# Allegro board CHIP_v1_0_20151123.brd (continued)
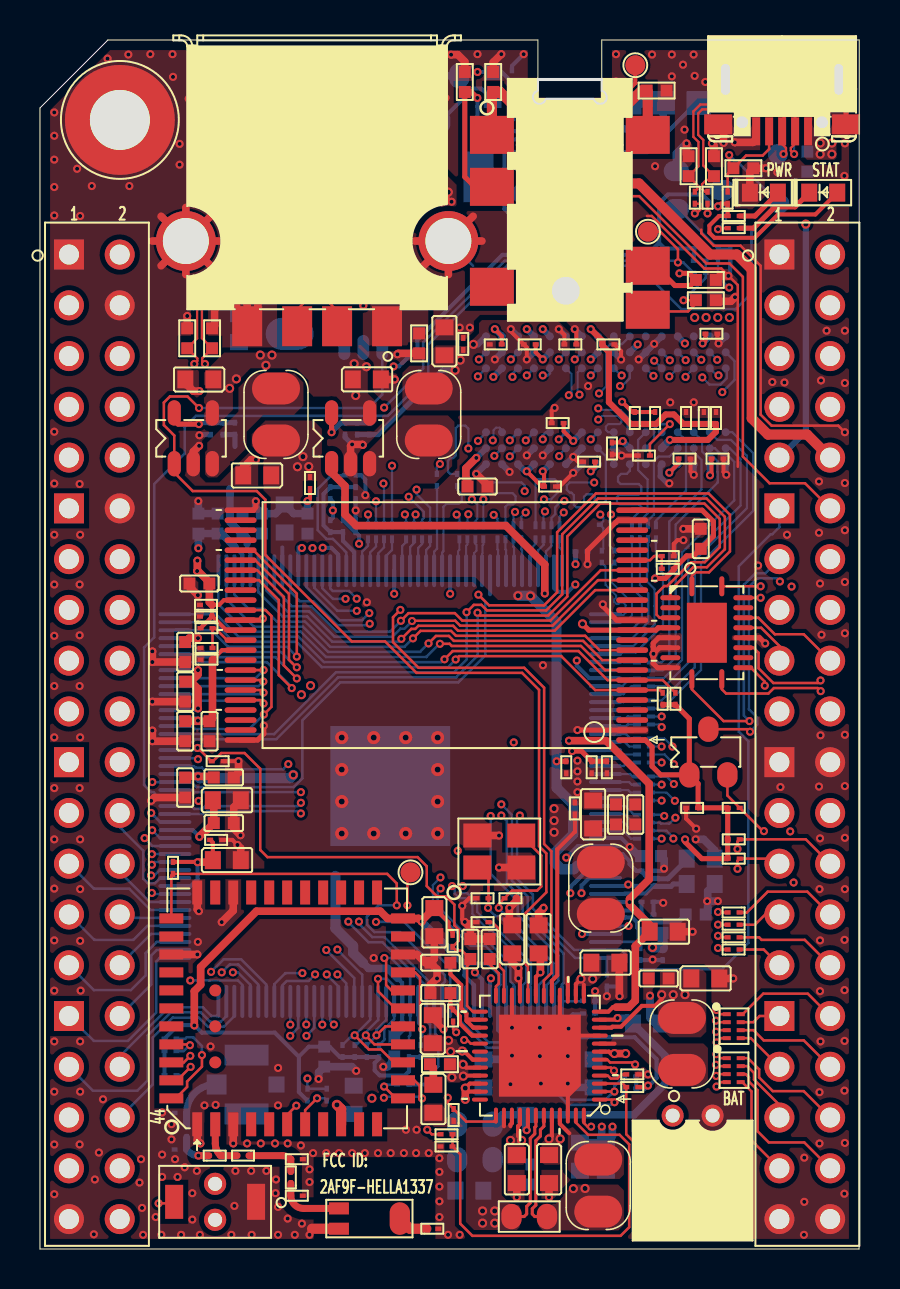
[diagram p0: board, top side]
## Routing (per net, layer and track width the routed paths; a pad name or vN(x,y) marks a point on that pad's centre or on a via; arc(x,y) is an arc through that point) (continued)
UART1-TX: length 64.7
  IN1 w0.127: v1(37.62,33.15) 37.98,32.79 37.98,21.32 v1(37.55,20.9)
  IN2 w0.127: v1(37.62,33.15) 38.36,33.88 38.36,44.93 37.01,46.28 U14.3 ; v1(13.06,22.33) 13.04,22.33 12.67,21.96 12.67,20.03 13.7,19 20.88,19 22.04,17.84 25.95,17.84 26.74,18.63 30.07,18.63 30.57,18.12 35.4,18.12 35.82,18.55 35.82,19.89 36.71,20.78 37.43,20.78 v1(37.55,20.9)
  BOTTOM w0.127: v1(13.06,22.33) 12.9,22.16 8.28,22.16 8.13,22.02 7.72,22.02 7.57,22.16 U1.152
USB0-DRV: length 82.6
  TOP w0.127: v1(29.79,9.24) 29.69,9.33 28.54,9.33 28.4,9.48 U3.6
  IN1 w0.127: v1(17.17,50.42) 17.17,46.39 18.44,45.11 18.44,43.64 17.33,42.52 17.09,42.52 16.57,42 16.57,40.06 15.12,38.61 15.12,34.29 16.88,32.53 16.88,31.66 16.51,31.29 v1(16.51,31.29)
  IN2 w0.127: v1(29.79,9.24) 29.79,9.99 29.42,10.36 27.88,10.36 26.38,11.86 18.57,11.86 16.98,10.27 12.36,10.27 11.84,10.8 11.84,24.31 15.75,28.23 15.75,30.53 16.48,31.26 16.48,31.29 v1(16.51,31.29)
  BOTTOM w0.127: U10.4 13.94,57.39 13.39,56.85 13.39,54.91 14.03,54.28 R74.2 13.72,53.82 13.72,53.26 15,51.98 15.83,51.98 17.17,50.65 v1(17.17,50.42) ; v1(16.51,31.29) 16.43,31.21 14.89,31.21 13.69,32.41 13.01,32.41 12.53,32.89 U1.10
USB0-IDDET: length 68.1
  TOP w0.127: v1(34.5,54.74) 34.5,54.29 ESD11.1 ; ESD11.1 34.42,53.79 R70.1 ; ESD11.1 35.34,54.71 36.17,54.71 36.5,55.04 J4.4
  BOTTOM w0.127: U1.153 5.99,22.56 5.69,22.86 5.57,22.86 5.21,23.22 5.21,30.1 5.72,30.61 5.72,38.28 7.24,39.8 7.24,41.12 7.81,41.69 17.41,41.69 19.44,43.71 19.44,45.26 23.38,49.2 29.93,49.2 32.1,47.03 34.82,47.03 35.62,47.83 35.62,50.9 TP18.1 34.85,54.46 34.78,54.46 v1(34.5,54.74)
USBVBUS: length 1.6
  TOP w0.127: v2(20.44,52.88) 20.44,52.57 v1(20.6,52.4)
  TOP w0.203: U3.31 21.66,9.48 21.23,9.91 v2(21.14,9.91)
  vias: v2(15.46,56.35) v2(15.91,56.72) v2(16.5,56.72) v2(18.75,51.98) v2(20.12,52.4) v2(20.45,10.44) v2(20.55,9.88) v2(30.74,5.13) v2(31.32,5.13) v2(31.91,5.13) v2(32.77,46.61) v2(33.34,46.61) v2(33.93,46.61) v2(34.51,46.61) v2(39.05,55.34) v2(39.05,54.78) v2(39.64,55.34) v2(39.64,54.78)
VMIC: length 73.8
  TOP w0.203: v1(26.9,53.35) 28.05,54.5 28.05,56.58 29.8,58.33 TP4.1
  IN1 w0.254: v1(27.13,15.76) 27.91,16.54 27.91,20.87 28.78,21.75 28.78,26.75 27.68,27.85 17.68,27.85 11.26,34.26 11.26,40.98 13.92,43.64 13.92,49.7 18.86,54.64 22.33,54.64 23.89,53.08 26.63,53.08 v1(26.9,53.35)
  BOTTOM w0.203: v1(27.13,15.76) U1.85
  BOTTOM w0.254: R113.2 v1(26.9,53.35)
VPS: length 2.6
  TOP w0.127: NSR5.1 NSR4.2 8.77,31.06 9.37,30.47 U30.38
VRA1: length 2.3
  BOTTOM w0.203: U1.83 29.25,16.56 29.28,16.6 29.64,16.6 29.89,16.34 29.89,16.09 C164.2
VRA2: length 5.1
  BOTTOM w0.203: R121.2 C170.2 29.96,16.74 29.78,16.93 29.14,16.93 29.11,16.96 U1.82
  BOTTOM w0.254: C170.2 30.11,16.68 30.42,16.37 31.96,16.37 C169.2
VRP: length 4.3
  BOTTOM w0.203: U1.80 29.26,17.76 29.28,17.79 30.33,17.79 C168.2
  BOTTOM w0.254: C168.2 30.79,18.17 30.82,18.14 31.59,18.14 31.71,18.26 C167.2
WE: length 21.2
  IN2 w0.152: v1(31.66,25.14) 31.91,25.39 31.91,34.39 31.3,35 31.3,36.93 30.38,37.85 30.38,43.36 v1(30.71,43.69)
  BOTTOM w0.114: v1(31.66,25.14) 31.5,25.3 31.5,25.3 31.26,25.54 RN27.5 ; v1(30.71,43.69) U29.L3
WL-PMU-EN: length 1.9
  TOP w0.127: U9.12 17.82,7.54 v1(17.23,8.13)
  BOTTOM w0.127: v1(17.23,8.13) 17.33,8.23 R66.1
WL-SDIO-CLK: length 6.5
  TOP w0.127: U9.17 17.78,12.04 16.92,12.9 v1(16.92,13.52)
  BOTTOM w0.127: R50.2 17.24,10.48 17.24,11.01 17.73,11.5 U1.110 17.73,13.16 17.37,13.52 v1(16.92,13.52)
WL-SDIO-CMD: length 4.1
  TOP w0.127: v1(16.84,10.69) 17.29,11.14 U9.16
  BOTTOM w0.127: R51.2 16.39,10.21 16.84,10.66 v1(16.84,10.69) 16.84,10.97 17.33,11.46 U1.111
WL-SDIO-D0: length 7.5
  TOP w0.127: U9.18 17.6,12.94 17.33,13.21 17.33,14.47 v1(17.24,14.56)
  BOTTOM w0.127: R49.2 18.47,10.63 18.53,10.69 U1.108 18.53,13.61 17.57,14.56 v1(17.24,14.56)
WL-SDIO-D1: length 5.9
  TOP w0.127: v1(19.13,11) 19.13,11.11 19.02,11.22 19.02,13.6 18.78,13.84 U9.19
  BOTTOM w0.127: U1.107 18.93,11.3 19.13,11.1 v1(19.13,11) 19.13,10.65 19.05,10.57 R48.2
WL-SDIO-D2: length 5.8
  TOP w0.127: v1(15.75,10.69) 16.46,9.98 17.07,9.98 17.72,9.34 U9.14
  BOTTOM w0.127: R53.2 15.5,10.57 15.63,10.57 v1(15.75,10.69) 16.53,11.47 U1.113
WL-SDIO-D3: length 4.8
  TOP w0.127: U9.15 16.74,10.24 16.31,10.67 v1(16.31,10.69)
  BOTTOM w0.127: R52.2 15.82,10.21 v1(16.31,10.69) 16.31,10.85 16.93,11.47 U1.112
XIO-P0: length 13.3
  TOP w0.127: U27.10 32.63,28 34.22,26.42 v1(35.51,26.42)
  BOTTOM w0.127: v1(35.51,26.42) 35.23,26.7 35.23,33.24 35.8,33.81 36.3,33.81 U14.13
XIO-P1: length 13.1
  TOP w0.127: v1(39.08,27.91) 38.93,28.07 36.73,28.07 36.46,27.79 34.35,27.79 34.13,28.01 U27.11
  IN2 w0.127: U14.14 38.36,33.32 38.36,28.6 39.05,27.91 v1(39.08,27.91)
XIO-P2: length 7.3
  TOP w0.127: U27.12 35.58,29.09 36.28,28.39 v1(36.28,28.19)
  IN2 w0.127: U14.15 38.1,30.89 38.1,28.75 37.54,28.19 v1(36.28,28.19)
XIO-P3: length 9.2
  TOP w0.127: v1(39.07,28.45) 38.94,28.32 36.71,28.32 35.97,29.06 35.97,29.83 35.72,30.09 U27.14
  IN2 w0.127: U14.16 38.61,31.04 38.61,28.91 v1(39.07,28.45)
XIO-P4: length 2.9
  TOP w0.127: U27.16 36.1,31.08 37.01,30.17 U14.17
XIO-P5: length 5.2
  TOP w0.127: U14.18 38.23,30.76 36.78,30.76 35.96,31.58 U27.17
XIO-P6: length 7.1
  TOP w0.127: v1(36.07,32.59) U27.19
  IN2 w0.127: v1(36.07,32.59) 35.89,32.4 35.89,28.02 U14.19
XIO-P7: length 13.2
  TOP w0.127: U27.20 v1(36.07,33.16)
  IN2 w0.127: v1(36.07,33.16) 35.63,32.72 35.63,26.94 36.73,25.83 38.49,25.83 U14.20
N17860831: length 2.8
  TOP w0.35: R45.2 C47.1 arc(12.36,4.63) 12.13,4.67 R46.1
N17860849: length 2.5
  TOP w0.35: R46.2 R47.2 9.01,4.71 arc(8.89,4.86) 8.81,5.04 arc(8.78,5.16) 8.78,5.28 U9.2
N18486772: length 1.5
  BOTTOM w0.127: OR4.2 10.09,54.53 9.77,54.85 9.77,55.47
N18486828:
  vias: v2(11.23,54.64) v2(12.15,54.64) v2(12.58,55.02)
N20314568: length 0.9
  TOP w0.203: 26.42,13.57 U3.15
N20314637: length 1.1
  TOP w0.203: U3.45 26.02,6.26 26.5,5.79
N20314996: length 4.1
  TOP w0.127: U3.23 23.22,13.92 23,14.14 23,15.99 22.64,16.36 R13.2
N20315137: length 0.7
  TOP w0.203: U3.8 28.76,10.28
N20749703: length 1.5
  TOP w0.127: R20.1 29.11,8.74 28.91,8.53 28.57,8.53 28.42,8.68 U3.4
N20819937: length 2.1
  TOP w0.127: C26.2 22.51,14.25 22.97,13.79 22.97,13.28 22.82,13.14 U3.24
N20828828: length 10.5
  TOP w0.127: TP2.1 18.39,18.69 v1(18.39,17.2) ; U3.29 21.56,10.28 21.38,10.46 v1(21.23,10.46)
  IN1 w0.127: v1(21.23,10.46) 21.23,11.01 18.5,13.74 18.5,17.09 v1(18.39,17.2)
N21691225: length 10.5
  IN1 w0.152: v1(25.17,40.51) 25.17,40.24 25.04,40.11 24.85,40.11 24.72,40.24 24.72,40.66 24.52,40.87 21.77,40.87 21.44,40.54 v1(21.44,40.06)
  BOTTOM w0.114: v1(21.44,40.06) 21.44,41.05 21.29,41.2 20.93,41.2 20.81,41.07 20.81,39.7 20.68,39.57 20.55,39.57 20.43,39.45 20.43,38.89 20.53,38.78 R420.2
  BOTTOM w0.127: v1(25.17,40.51) 25.17,40.72 25.32,40.87 U29.E7
N21691228: length 7.9
  IN2 w0.152: v1(20.02,39.28) 20.02,40.36 21.57,41.91 22.57,41.91 v1(24.37,43.71)
  BOTTOM w0.114: R421.2 19.87,39.13 v1(20.02,39.28)
  BOTTOM w0.127: U29.D3 v1(24.37,43.71)
N21691595: length 4
  TOP w0.127: R71.2 30.53,40.28 v1(31.53,41.27)
  BOTTOM w0.127: U29.L8 30.33,40.07 30.74,40.48 30.74,41.03 30.98,41.27 v1(31.53,41.27)
N21742219: length 14.6
  IN1 w0.102: v1(20.86,36.75) 21.06,36.95 21.06,37.17 20.48,37.75 20.48,40.62 21.52,41.66 27.01,41.66 27.08,41.73 27.08,41.88 26.64,42.32 26.64,42.55 v1(26.47,42.72)
  BOTTOM w0.102: RN30.1 20.99,36.61 v1(20.86,36.75) ; U29.F3 26.61,43.79 26.61,42.86 v1(26.47,42.72)
N21742222: length 14.5
  IN1 w0.102: v1(21.44,36.77) 21.29,36.92 21.29,37.26 20.71,37.85 20.71,40.52 21.61,41.43 27.11,41.43 27.31,41.63 27.31,41.98 26.87,42.42 26.87,42.61 v1(27,42.75)
  BOTTOM w0.102: U29.G3 26.91,43.86 26.91,42.84 v1(27,42.75) ; v1(21.44,36.77) 21.39,36.72 RN30.2
N21748095: length 10.7
  IN2 w0.102: v1(23.52,40.46) 23.42,40.56 23.42,41.02 23.19,41.25 21.63,41.25 20.83,40.45 20.83,39.13 20.71,39.01 20.38,39.01 20.12,38.75 20.12,38.3 20.36,38.07 21.71,38.07 21.9,37.88 21.9,37.8 v1(21.62,37.52)
  BOTTOM w0.102: v1(21.62,37.52) 21.89,37.25 21.89,36.53 21.79,36.43 RN30.3
  BOTTOM w0.127: U29.C7 v1(23.52,40.46)
N21748098: length 10.7
  IN2 w0.102: v1(22.19,37.52) 22.13,37.58 22.13,37.98 21.81,38.3 20.45,38.3 20.35,38.4 20.35,38.66 20.48,38.79 20.81,38.79 21.06,39.04 21.06,40.36 21.72,41.02 23.1,41.02 23.19,40.93 23.19,40.68 23.14,40.62 23.14,40.56 23.04,40.46 v1(22.67,40.46)
  BOTTOM w0.102: U29.B7 23.13,40.97 23,41.1 22.83,41.1 22.7,40.97 22.7,40.5 v1(22.67,40.46) ; RN30.4 v1(22.19,37.52)
N21782572: length 15.1
  TOP w0.114: R84.1 32.9,53.02 32.9,53.25 ESD13.1 32.96,54.17 32.96,55.39 32.71,55.65 32.71,56.92 33.05,57.26 37.51,57.26 37.72,57.05 37.72,56.79 37.8,56.72 J4.2 37.8,55.31 37.58,55.09 37.58,54.95 v1(37.75,54.79)
  BOTTOM w0.114: TP17.1 37.75,56.64 v1(37.75,54.79)
N21782578: length 11.9
  TOP w0.114: v1(37.22,54.79) 37.34,54.91 37.34,55.09 37.15,55.29 J4.3 37.15,56.52 37.48,56.86 37.48,56.95 37.41,57.02 33.15,57.02 32.95,56.82 32.95,55.75 33.2,55.49 33.2,54.21 ESD12.1 33.74,53.64 33.58,53.49 33.35,53.49 33.14,53.28 33.14,53.05 33.28,52.9 R85.1
N21782617: length 1.7
  BOTTOM w0.127: 13.94,55.47 13.94,55.11 14.66,54.38 R75.2
N21788871: length 1.9
  BOTTOM w0.254: U11.3 17.13,48.83 16.84,49.13 R57.2 R54.1
N21789427: length 3.5
  TOP w0.254: v1(7.95,41.27) 6.91,41.27 6.72,41.47 U12.5
  BOTTOM w0.254: R79.1 C67.2 R78.2 8.03,41.35 v1(7.95,41.27)
N21789937: length 3.1
  TOP w0.254: U4.5 v1(14.6,40.87)
  BOTTOM w0.254: R15.1 C73.2 R14.2 15.07,41.35 v1(14.6,40.87)
N21821091: length 4.2
  BOTTOM w0.127: U15.4 9.77,57.32 9.25,56.79 9.25,54.91 9.45,54.71 R86.1
N21824958: length 3.5
  BOTTOM w0.127: C152.2 R103.1 31.97,52.03 Q4.1
N21824970: length 2.7
  TOP w0.127: v1(33.94,51.03) 33.94,51.03 33.99,51.08 R102.2
  BOTTOM w0.127: v1(33.94,51.03) 34.33,51.42 34.33,52.36 34.14,52.55 Q4.3
N21824972: length 4.2
  TOP w0.254: D2.2 37.79,52.15 36.79,52.15 35.72,51.08 R102.1
N21891079: length 1.5
  TOP w0.508: ANT1.3 18.52,1.02 C51.1
N21891194: length 3.4
  TOP w0.35: R45.1 C48.1 arc(12.74,2.22) 13.19,2.03 ANT1.1
N21892133: length 14.9
  TOP w0.127: J11.4 30.79,49.2 30.88,49.11
  TOP w0.254: v1(32.01,48.82) 32.5,48.82 ESD36.2 32.55,48.21 31.78,48.21 30.88,49.11
  IN1 w0.203: v1(32.01,48.82) 31.86,48.82 29.11,51.56 v1(27.06,51.56)
  BOTTOM w0.203: v1(27.06,51.56) 26.52,51.03 C79.2 25.28,51.92 25.28,53.9 R105.1
N21892135: length 14.5
  TOP w0.127: J11.2 22.52,53.15 22.43,53.06
  TOP w0.254: v1(21.89,57.59) 21.59,57.89 ESD34.2 21.26,53.64 21.85,53.06 22.43,53.06
  BOTTOM w0.203: C78.2 23.25,52.04 23.25,54.86 22.92,55.19 22.38,55.19 21.89,55.68 21.89,57.16 21.89,57.16 v1(21.89,57.59)
N21892179: length 0.6
  BOTTOM w0.203: C151.1 R100.2
N21892181: length 0.6
  BOTTOM w0.203: R101.2 C148.1
N21892238: length 5.9
  TOP w0.127: v1(32.21,47.47) ESD35.2 32.83,47.3 32.44,46.91 30.42,46.91 J11.6
  BOTTOM w0.127: R88.1 R414.2 33.32,48.59 v1(32.21,47.47)
N21892272: length 2.8
  BOTTOM w0.203: C188.2 27.82,54.06 R192.1 26.99,54.88 R113.1
N21913519: length 2.9
  BOTTOM w0.35: ANT2.1 8.76,8.23 arc(7.76,7.81) C60.1 R61.2
N21918802: length 1.8
  TOP w0.35: v1(7.93,4.67) R47.1
  BOTTOM w0.35: R61.1 C52.1 7.44,4.87 arc(7.55,4.79) 7.67,4.72 arc(7.8,4.69) v1(7.93,4.67)
N21932331: length 21.1
  TOP w0.127: R83.1 C35.2 21.04,4.74 21.04,1.27 21.65,0.66 29.06,0.66 29.49,1.09 29.49,5.23 29.01,5.71 27.44,5.71 26.82,6.33 U3.47
N21933125: length 2.1
  TOP w0.127: U9.7 13.27,6.95 v1(13.87,7.54)
  BOTTOM w0.127: R63.1 14.23,7.54 v1(13.87,7.54)
N21935584: length 2.3
  TOP w0.127: v1(19.12,7.54) 19,7.66 19,8.18 18.74,8.44 U9.13
  BOTTOM w0.127: R62.1 19.04,7.62 v1(19.12,7.54)
N203144570: length 1.1
  TOP w0.381: R9.1 19.69,9.08 C17.1
N203145090: length 2.4
  TOP w0.254: R8.1 35.79,51.69 36.93,52.83 D1.1
N217827101: length 1.2
  BOTTOM w0.508: C59.2 16.31,52.97 R82.1

## Copper pours and planes (outline as drawn; the poured copper is in the pictures)
GND on TOP: 0.51,0.51 0.51,56.99 3.51,59.99 24.41,59.99 24.41,57.95 28.63,57.95 28.63,59.99 40.5,59.99 40.5,56.99 40.49,8.59 40.49,7.87 40.49,4.44 40.49,0.51 14.97,0.51 14.97,1.75 13.87,1.75 13.87,0.51 13.54,0.51 13.49,0.56 13.49,0.51 ; 37 cut-outs
GND on BOTTOM: 0.51,0.51 0.51,56.99 3.51,59.99 24.41,59.99 24.41,57.95 28.63,57.95 28.63,59.99 40.5,59.99 40.5,56.99 40.49,0.51 ; 24 cut-outs
GND on GND: 0.52,0.51 0.52,56.89 3.11,59.49 3.26,59.64 3.61,59.99 24.41,59.99 24.41,57.95 28.63,57.95 28.63,59.99 40.5,59.99 40.49,5.36 40.49,4.7 40.49,2.64 40.49,1.73 40.49,0.51 ; 2 cut-outs
GND on IN1: 0.51,0.51 0.51,56.99 3.51,59.99 24.41,59.99 24.41,57.95 28.63,57.95 28.63,59.99 40.5,59.99 40.5,56.99 40.49,0.51 ; 29 cut-outs
GND on IN2: 0.51,0.51 0.51,56.99 3.51,59.99 24.41,59.99 24.41,57.95 28.63,57.95 28.63,59.99 40.5,59.99 40.5,56.99 40.49,0.51 ; 20 cut-outs
GND on VCC: 0.52,0.51 0.52,56.89 3.11,59.49 3.26,59.64 3.61,59.99 24.41,59.99 24.41,57.95 28.63,57.95 28.63,59.99 40.5,59.99 40.5,57.91 40.5,56.39 40.5,53.6 40.41,53.52 32.18,53.52 29.19,50.52 23.83,50.52 17.96,56.39 17.96,57.91 16.77,59.11 10.47,59.11 9.1,57.74 9.1,49.58 12.47,46.2 19.61,46.2 19.79,46.02 19.79,42.83 16.56,39.6 15.5,39.6 15.35,39.75 15.35,41.27 16.84,42.77 16.84,44.65 16.21,45.29 9.46,45.29 9.27,45.47 9.28,46.33 5.72,49.89 5.72,50.37 5.06,51.03 2.92,51.03 2.21,50.32 2.21,10.72 3.56,9.37 10.92,9.37 11.69,8.61 12.19,8.61 15.88,4.93 19.89,4.93 20.55,4.27 20.55,1.34 21.06,0.84 22.97,0.84 23.42,1.29 23.42,4.47 23.63,4.67 26.27,4.67 26.8,5.21 26.8,5.89 27.29,6.38 29.27,6.38 30.05,7.16 30.05,9.96 30.23,10.13 31.68,10.13 32.92,11.38 32.92,13.9 31.88,14.94 27.24,14.94 26.34,15.83 26.34,17.73 25.05,19.03 25.05,26.67 22.46,29.26 17.89,29.26 14.76,32.39 14.76,32.56 14.92,32.72 17.12,32.72 17.88,31.95 23.45,31.95 25.63,29.77 25.63,25.02 26.09,24.56 26.93,24.56 27.11,24.38 27.11,20.93 27.54,20.5 29.09,20.5 29.95,19.63 33.18,19.63 35.64,22.1 35.64,37.36 36.25,37.97 36.25,47.5 36.76,48.01 40.34,48.01 40.5,47.85 40.49,37.97 40.49,37.36 40.49,19.03 40.49,17.73 40.49,11.38 40.49,9.96 40.49,7.16 40.49,5.21 40.49,0.51 ; 4 cut-outs
VBAT-EXT on TOP: 24.97,1.12 24.97,2.06 25.18,2.26 25.81,2.26 26.19,2.64 26.19,2.72 26.7,3.23 28.94,3.23 29.24,2.92 29.24,1.22 28.95,0.93 25.16,0.93
VBAT-EXT on BOTTOM: 27.51,4.57 27.51,2.95 27.39,2.82 26.75,2.82 25.71,3.86 22.23,3.86 21.98,4.11 21.98,4.9 22.23,5.16 25.86,5.16 26.34,4.67 27.41,4.67
VCC-5V on BOTTOM: 16.92,58.32 17.94,58.32 18.06,58.19 18.06,57.25 17.92,57.11 14.7,57.11 14.46,57.35 14.46,58.45 14.1,58.8 13.7,58.8 13.39,58.5 13.39,57.51 12.96,57.07 11.64,57.07 11.23,57.48 11.23,58.83 11.82,59.41 15.83,59.41
VCC-5V on BOTTOM: 5.54,45.59 1.15,45.59 0.69,46.05 0.69,48.36 1.02,48.69 2.39,48.69 2.47,48.77 2.47,51.56 3.61,52.7 4.78,52.7 5.59,53.52 8.77,53.52 9.3,52.98 12.02,52.98 12.29,52.72 12.29,50.14 10.05,47.9 8.89,47.9 8.03,47.04 6.99,47.04 ; 1 cut-out
VCC-5V on VCC: 12.58,46.46 9.35,49.68 9.35,57.63 10.57,58.85 16.67,58.85 17.71,57.81 17.71,56.28 18.83,56.28 24.85,50.27 29.29,50.27 32.29,53.26 40.41,53.26 40.5,53.18 40.5,49.68 40.5,48.42 40.34,48.26 36.65,48.26 36,47.6 36,46.64 35.82,46.46
VCC-WIFI on BOTTOM: 15.17,7.21 14.97,7.42 14.76,7.42 14.66,7.32 14.66,6.71 14.99,6.38 19.61,6.38 20.38,5.61 20.38,3.94 20.55,3.76 21.49,3.76 21.72,3.99 21.72,6.35 20.86,7.21
BAT on TOP: 23.04,6.2 23.55,6.2 23.65,6.1 23.65,5.94 23.12,5.41 23.12,2.69 23.58,2.24 23.91,2.24 24.01,2.13 24.01,1.09 23.87,0.95 21.63,0.95 21.32,1.27 21.32,5.94 21.48,6.11 22.95,6.11
BAT on BOTTOM: 21.92,0.97 21.58,1.31 21.58,3.31 21.82,3.56 25.61,3.56 26.57,2.59 27.41,2.59 27.79,2.97 27.79,4.37 27.94,4.52 28.81,4.52 31.53,7.24 31.88,7.24 33.74,5.38 33.74,3.2 33.28,2.74 32.01,2.74 30.23,0.97
BAT on VCC: 21.16,1.09 20.81,1.45 20.81,4.37 20,5.18 15.98,5.18 12.3,8.86 11.79,8.86 11.03,9.63 3.66,9.63 2.47,10.82 2.47,42.8 2.64,42.96 5.46,42.96 6.21,42.21 6.21,31.35 6.98,30.59 6.98,15.23 9.78,12.42 12.19,12.42 12.45,12.17 14.99,12.17 15.8,11.35 15.8,10.97 16.82,9.96 16.82,8.56 17.73,7.65 20.65,7.65 20.78,7.52 20.78,7.19 23.17,4.8 23.17,1.4 22.86,1.09
CHG-IN on TOP: 21.28,9.54 21.44,9.37 21.44,8.74 21.04,8.33 20.45,8.33 20.32,8.46 20.32,8.81 20.22,8.92 20.22,9.4 20.36,9.54
CHG-IN on VCC: 17.84,7.9 17.07,8.66 17.07,10.06 16.06,11.08 16.06,11.46 15.09,12.42 12.55,12.42 12.3,12.67 9.89,12.67 7.23,15.33 7.23,30.7 6.47,31.46 6.47,42.32 5.57,43.22 2.66,43.22 2.47,43.41 2.47,50.21 3.03,50.77 4.96,50.77 5.47,50.26 5.47,49.78 9.02,46.23 9.01,32.31 9.61,31.71 9.61,19.12 13.69,15.04 17.48,15.04 18.55,13.97 18.55,11.78 20.78,9.55 21.26,9.55 21.44,9.37 21.44,8.74 20.6,7.9
COREVDD on TOP: 26.8,18.52 26.65,18.67 26.65,19.69 26.4,19.94 25.94,19.94 25.51,20.37 25.51,22.15 25.63,22.28 26.14,22.28 26.47,21.95 26.9,21.95 27.13,21.72 29.93,21.72 30.1,21.54 30.1,18.87 29.75,18.52
COREVDD on BOTTOM: 9.48,18.34 7.73,20.09 7.73,20.83 7.95,21.06 8.41,21.06 9.66,19.81 12.78,19.81 13.49,20.52 13.49,26.8 14.84,28.14 21.09,28.14 22.51,29.57 22.51,32.38 22.39,32.5 22.39,32.88 22.48,32.97 23.63,32.97 25.4,31.19 25.4,22.89 26.19,22.1 26.19,20.88 25.94,20.62 24.44,20.62 24.2,20.87 24.2,21.42 23.61,22.01 23.08,22.01 22.59,21.51 22.59,19.46 22,18.87 19.99,18.87 19.46,18.34
CPUVDD on TOP: 33.15,14 33.35,13.79 33.35,10.87 33.08,10.59 31.54,10.59 30.92,11.21 30.92,12.91 31.03,13.02 31.03,13.09 31.03,13.1 31.03,13.86 31.17,14
CPUVDD on BOTTOM: 14.43,34.92 10.95,34.92 10.77,35.1 10.77,36.07 10.95,36.25 13.47,36.25 14.51,35.2 14.51,35
CPUVDD on IN2: 7.7,35.15 7.83,35.28 14.23,35.28 14.46,35.05 14.46,28.5 10.6,24.64 10.6,24.05 9.91,23.37 7.85,23.37 7.78,23.44 7.78,23.98 8.41,24.61 8.41,26.49 8.06,26.85 7.88,26.85 7.65,27.08 7.65,32.99 8.39,33.73 8.39,34.47 7.98,34.87 7.8,34.87 7.7,34.98
CPUVDD on VCC: 24.49,10.39 21.65,13.24 21.65,14.94 19.56,17.02 19.56,18.54 18.83,19.28 13.82,19.28 12.43,20.68 12.43,24.43 12.76,24.77 12.76,35.08 12.99,35.31 14.13,35.31 14.51,34.92 14.51,32.28 17.78,29.01 22.35,29.01 24.79,26.57 24.79,18.92 26.09,17.63 26.09,15.72 27.13,14.68 31.78,14.68 32.67,13.79 32.67,11.48 31.57,10.39
DRAM-VCC on TOP: 18.37,41.96 18.14,42.19 18.14,43.84 18.5,44.2 19.46,44.2 19.69,44.42 19.69,45.06 19.84,45.21 21.37,45.21 21.98,45.82 21.98,46.33 22.13,46.48 25.89,46.48 26.52,45.85 26.52,43.43 25.05,41.96
DRAM-VCC on VCC: 30.05,19.89 29.19,20.75 27.64,20.75 27.36,21.03 27.36,24.49 27.03,24.82 26.19,24.82 25.89,25.12 25.89,29.87 23.55,32.21 17.99,32.21 17.23,32.97 14.97,32.97 14.76,33.17 14.76,35.03 14.23,35.56 13.62,35.56 13.42,35.76 13.42,39.11 13.65,39.34 16.67,39.34 20.05,42.72 20.05,46.02 20.22,46.2 35.82,46.2 36,46.02 36,36.88 35.39,36.27 35.39,22.2 33.07,19.89
EARCON on BOTTOM (solid shape): 31.78,56.77 30.69,56.77 30.69,57.94 31.78,57.94
EARMIC on BOTTOM (solid shape): 33.58,56.74 32.36,56.74 32.36,57.94 33.58,57.94
HPVCC on TOP: 10.6,40.18 10.6,40.77 11.28,41.45 13.7,41.45 14.11,41.03 14.11,38.85 14.41,38.56 14.41,36.8 14.61,36.6 14.89,36.6 15.7,35.79 23.14,35.79 24.87,34.06 24.87,32.61 24.72,32.46 22.94,32.46 21.77,33.63 12.58,33.63 11.54,34.67 11.54,37.57 11.18,37.92 11.18,39.6
HPVCC on BOTTOM: 5.97,33.93 5.97,38.15 7.61,39.79 8.2,39.79 8.56,40.16 13.34,40.16 13.7,39.8 13.7,38.94 12.68,37.92 7.88,37.92 7.37,37.41 7.37,35.2 8.11,34.47 8.11,33.88 7.78,33.55 6.35,33.55
HPVCC on IN1: 24.77,31.04 23.7,32.11 23.7,33.02 24.11,33.43 26.01,33.43 26.55,32.89 27.03,32.89 27.97,33.83 30.89,33.83 31.04,33.68 31.04,33.38 30.87,33.2 28.48,33.2 27.49,32.21 27.49,31.24 27.28,31.04
HPVCC on IN2: 8.11,18.87 7.6,18.87 6.28,20.19 6.28,26.52 6,26.8 6,33.58 7.04,34.62 7.93,34.62 8.11,34.44 8.11,33.86 7.4,33.15 7.4,27.2 8.18,26.42 8.18,25.78 7.55,25.15 7.55,20.57 8.34,19.79 8.34,19.1
HPVCC on IN2: 4.14,40.44 3.18,40.44 0.74,42.88 0.74,45.67 1.3,46.23 5.36,46.23 7.62,43.97 8.54,43.97 8.98,43.52 8.98,42.61 10.8,40.79 13.47,40.79 13.82,40.44 13.82,38.56 13.57,38.3 6.28,38.3
IPSOUT on TOP: 23.45,4.22 23.36,4.31 23.36,5.42 23.73,5.79 24.16,5.79 24.25,5.7 24.25,4.28 24.19,4.22
IPSOUT on TOP: 8.21,43.84 9.22,44.86 15.83,44.86 16.44,44.25 16.44,42.77 16.87,42.34 16.87,41.43 16.62,41.17 15.3,41.17 15.09,41.38 15.09,42.39 14.84,42.65 13.7,42.65 13.44,42.9 13.44,43.46 12.88,44.02 10.49,44.02 9.66,43.18 9.66,41.99 8.87,41.2 8.41,41.2 8.21,41.4
IPSOUT on TOP: 25.33,5.66 25.46,5.79 25.99,5.79 26.14,5.64 26.14,4.37 25.99,4.22 25.25,4.22 25.1,4.37 25.1,5.31 25.33,5.54
IPSOUT on TOP: 24.06,13.28 23.58,13.28 23.35,13.51 23.35,13.92 23.09,14.17 23.09,14.91 23.35,15.16 24.01,15.16 24.19,14.99 24.19,14.25 24.31,14.12 24.31,13.54
IPSOUT on TOP: 26.78,13.49 27.26,13.97 27.26,14.61 27.39,14.73 27.97,14.73 28.1,14.61 28.1,13.64 27.61,13.16 26.88,13.16 26.78,13.26
IPSOUT on BOTTOM: 21.04,8.26 21.29,8.51 22.61,8.51 22.71,8.41 22.71,7.44 22.51,7.24 21.21,7.24 21.04,7.42
IPSOUT on BOTTOM: 28.53,9.32 28.25,9.04 27.28,9.04 27.08,9.25 27.08,10.06 27.31,10.29 29.32,10.29 29.47,10.13 29.47,9.45 29.34,9.32
IPSOUT on BOTTOM: 16.13,42.39 9.45,42.39 9.17,42.67 9.17,45.67 9.38,45.87 10.39,45.87 11.28,46.76 16.11,46.76 16.64,46.23 16.64,42.9
IPSOUT on IN1: 21.44,4.78 21.14,5.08 21.14,8.23 21.49,8.59 21.49,11.48 22.92,12.9 22.92,14.05 23.14,14.27 23.98,14.27 24.77,13.49 25.25,13.49 26.04,14.27 28.38,14.27 29.62,13.03 29.62,9.63 28.47,8.47 28.47,7.45 27.44,6.43 27.44,5.23 26.98,4.78
IPSOUT on VCC: 23.4,4.93 21.04,7.29 21.04,7.97 21.7,8.63 21.7,9.48 21.37,9.8 20.89,9.8 18.8,11.89 18.8,14.07 17.58,15.29 13.8,15.29 9.86,19.23 9.86,31.82 9.26,32.41 9.27,44.85 9.46,45.03 16.11,45.03 16.59,44.55 16.59,42.88 15.09,41.38 15.09,39.8 14.89,39.6 13.54,39.6 13.16,39.22 13.16,35.76 12.96,35.56 12.88,35.56 12.5,35.18 12.5,27.71 12.5,24.92 12.17,24.59 12.17,20.57 13.72,19.02 18.72,19.02 19.31,18.44 19.31,16.91 21.39,14.83 21.39,13.13 24.39,10.13 29.62,10.13 29.8,9.96 29.8,7.27 29.16,6.63 27.18,6.63 26.55,6 26.55,5.31 26.16,4.93
TV-OUT on BOTTOM (solid shape): 30.1,56.77 29.04,56.77 29.04,57.94 30.1,57.94
USBVBUS on TOP: 21.32,9.75 19.23,9.75 19.08,9.91 19.08,10.57 19.3,10.78 19.87,10.78 20.01,10.64 20.76,10.64 21.39,10.01 21.39,9.83
USBVBUS on TOP: 19.16,51.92 18.42,51.92 15.14,55.19 15.14,56.44 15.75,57.05 17.05,57.05 20.86,53.24 20.86,52.25 20.78,52.17 19.41,52.17
USBVBUS on TOP: 38.7,56.14 39,55.89 39.01,55.89 39.38,55.52 39.78,55.52 39.87,55.44 39.87,54.6 39.76,54.5 38.39,54.5 38.24,54.65 38.24,56.61 38.29,56.66 38.57,56.66 38.65,56.62 38.67,56.53
USBVBUS on BOTTOM: 16.44,54.79 15.83,54.79 15.83,53.64 15.02,53.64 15.02,54.51 15.5,54.99 15.5,56.01 15.27,56.24 15.27,56.64 15.47,56.85 16.74,56.85 17,56.59 17,56.24 17.05,56.18 17.58,56.18 17.58,55.93
USBVBUS on BOTTOM: 38.26,55.91 39.7,55.91 39.86,55.75 39.86,54.66 39.68,54.48 38.23,54.48 38.1,54.61 38.1,55.75
USBVBUS on IN1: 31.78,9.07 31.78,18.85 33.2,20.27 33.2,21.36 32.57,22 32.57,37.08 32.03,37.62 32.03,39.83 32.57,40.36 32.57,44.27 31.37,45.47 18.55,45.47 17.53,46.48 17.53,51.31 19.46,53.24 21.82,53.24 25.1,49.96 30.36,49.96 31.93,48.39 33.94,48.39 35.95,46.38 35.95,46.35 36.35,45.95 36.35,37.85 36.1,37.59 36.1,36.37 36.35,36.12 36.35,5.49 35.21,4.34 30.81,4.34 30.03,5.13 30.03,7.32
USBVBUS on IN2: 25.86,10.64 26.14,10.36 26.85,10.36 28.71,8.51 29.61,8.51 30.22,7.9 30.22,6.34 30.69,5.87 31.91,5.87 32.26,5.51 32.26,3.56 31.83,3.12 22.89,3.12 20.48,5.54 20.21,5.54 19.41,6.34 18.55,6.34 18.08,6.81 18.08,8.93 19.79,10.64
USBVBUS on IN2: 32.59,49.25 31.88,49.96 31.88,51.99 31.88,52.27 34.02,54.41 34.47,54.41 35.56,55.5 39.73,55.5 39.93,55.3 39.93,53.7 39.55,53.31 38.54,53.31 35.62,50.39 35.62,46.63 35.31,46.33 32.82,46.33 32.59,46.56
N18486828 on TOP: 16.06,48.46 16.06,49.48 14.48,51.05 11.84,51.05 11.04,51.85 11.04,54.9 11.38,55.24 14.76,55.24 17.59,52.41 17.59,50.84 18.24,50.19 18.24,48.97 19.44,47.78 19.44,45.47 19.31,45.34 18.5,45.34 18.37,45.21 16.46,45.21 16.16,45.52 16.16,48.36
N18486828 on BOTTOM: 12.25,53.44 12.25,54.33 12.73,54.81 12.73,56.13 12.5,56.36 11.54,56.36 11.28,56.11 11.28,54.97 10.88,54.56 10.57,54.56 10.44,54.43 10.44,53.97 10.57,53.85 11,53.85 11.13,53.72 11.13,53.39 11.26,53.26 12.07,53.26
N20314568 on TOP: 26.19,17.32 26.52,17.65 28.78,17.65 29.19,17.25 29.19,15.32 28.86,14.99 27.03,14.99 26.99,14.95 26.99,14.06 26.55,13.61 26.55,13.26 26.47,13.18 26.27,13.18 26.19,13.26
N20314637 on TOP: 26.88,3.51 26.42,3.96 26.42,5.71 26.27,5.87 26.27,6.02 26.34,6.1 26.73,6.1 27.39,5.44 28.91,5.44 29.24,5.11 29.24,3.73 29.01,3.51
N20315137 on TOP: 28.6,10.29 28.6,10.64 28.99,11.02 29.42,11.02 29.67,11.28 30.48,11.28 31.48,10.29 33.2,10.29 33.43,10.06 33.43,8.46 33.1,8.13 31.58,8.13 29.57,10.13 28.76,10.13
N21788878 on BOTTOM: 15.42,47.02 11.54,47.02 11.31,47.24 11.31,48.77 13.94,51.4 15.65,51.4 15.89,51.16 15.89,50.25 15.3,49.66 15.3,49.56 15.3,49.56 15.3,48.82 15.63,48.49 15.63,47.22
N21789469 on TOP: 8.26,38.76 8.26,39.88 8.37,39.99 8.37,40.35 9.94,41.91 9.94,43.1 10.65,43.81 12.73,43.81 13.19,43.36 13.19,42.21 12.7,41.73 11.18,41.73 10.34,40.89 10.34,40.08 8.87,38.61 8.41,38.61
N21789999 on TOP: 18.22,37.77 16.77,37.77 16.16,38.38 16.16,39.67 18.19,41.71 20.43,41.71 20.74,41.39 20.74,39.67 20.63,39.56 20.63,39.17 19.77,38.3 18.75,38.3

Small or netless copper shapes (teardrops, artwork), in the pictures only: 1 on BOTTOM

## Text on the board
Ref Des/Silkscreen Bottom: CC-BY-SA  NEXTTHING.CO | 1 | U13 | 2 | 40 | tv | BAT | mic | GND | 39 | U14 | D+ | D- | ID
Ref Des/Silkscreen Top: 1 | 2 | 2AF9F-HELLA1337 | FCC ID: | BAT | PWR | STAT
USER_PART_NUM_TOP: 44 | 39 | SW2 | 40 | LED | SW1 | 1 | 2 | J4 | SC3805R-V00 | J5 | WIFI | 15042400 | J1 | U13 | DC | U14
TOLERANCE_BOTTOM: 1 | 2 | 3 | v1.0
COMPVAL_TYPE_BOTTOM: 1 | 2 | 39 | 40 | 44 | BAT | PWR | STAT
DEVICE_TYPE_BOTTOM: FIGURE | SIZE | 8.0 | 10.0 | 12.0 | 27.56 | 27.6 | 39.37 | 90.55 | 118.11 | 23.62 | 55.12 | 61.02x17.72 | DRILL CHART: TOP to BOTTOM | ALL UNITS ARE IN MILS | TOLERANCE | +2.0/-2.0 | +3.0/-3.0 | +0.0/-0.0 | +2.99/-2.99 | +2.01/-2.01 | PLATED | NON-PLATED | QTY | 645 | 82 | 1 | 12 | 2 | 80
